# Altium PCB main_backup002.PcbDoc (continued)
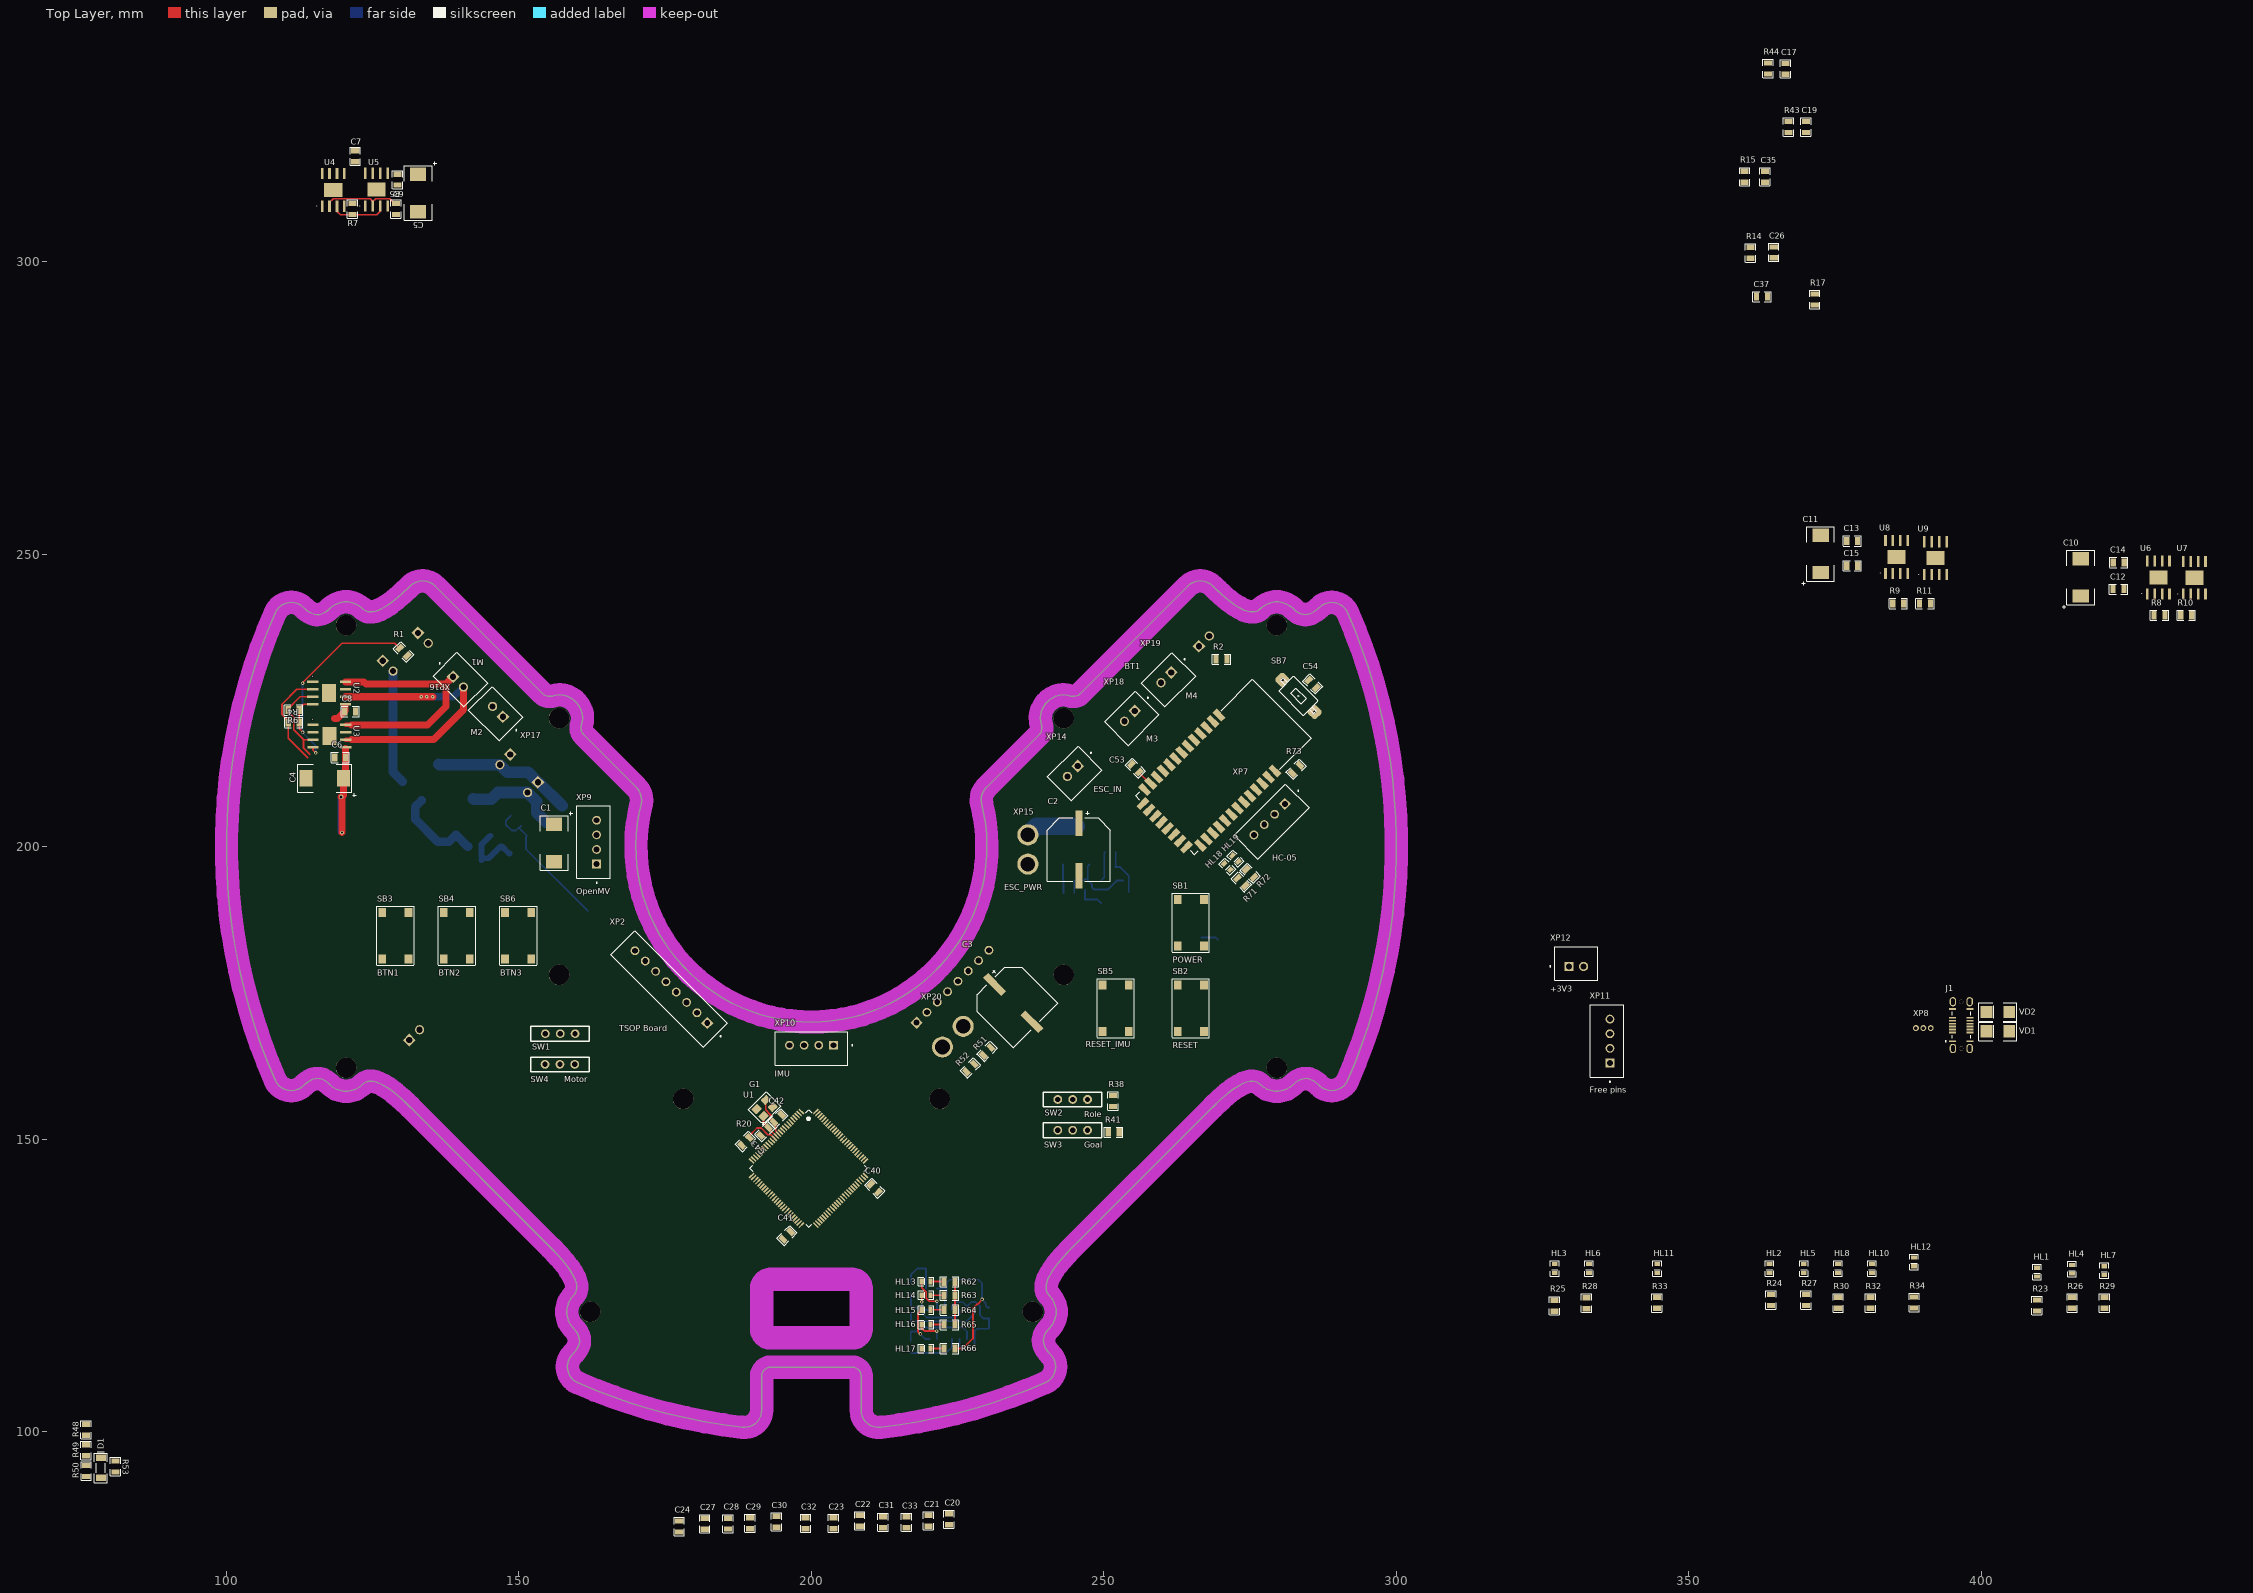
[diagram p0: Top Layer view]
## Footprints (in the part's own frame and the unit in brackets; to place one, negate y for a bottom-side part, rotate by r counter-clockwise, add the part's x,y. Pads: shape width x height; smd on the part's side, far side on the other; paste and mask are expansions set on the pad) (continued)
DPAK [mm] "TO-252"
  rect 6.25x6.5 smd: D(3.219,0.034)
  rect 2.5x1.2 smd: G(-3.281,2.324) S(-3.281,-2.256)
  round 0.5 on Mech1: ""(-3.231,2.934)
  silkscreen extent -3.41,-3.27 -0.33,3.75, body extent -3.83,-3.28 6.27,3.45, height 2.37
DTSM-61N-V-T/R [mm] "Tactile button"
  rect 1.55x1.3 smd: 1(0,4.5) 2(7.95,4.5) 3(0,0) 4(7.95,0)
  silkscreen extent -1.05,-0.93 9,5.43, body extent -0.52,-0.75 8.47,5.25, height 4.3
ESP1010 [mm] "Slide switch"
  round 1.5 hole 0.9: 1(-2.596,-0.014) 2(-0.056,-0.014) 3(2.484,-0.014)
  silkscreen extent -5.06,-1.24 4.94,1.26, body extent -5.06,-1.24 4.94,1.26, height 6.55
HC-05 [mm] "Bluetooth HC-05"
  rect 2.2x1 smd: 1(-6.886,6.787) 2(-6.886,5.287) 3(-6.886,3.787) 4(-6.886,2.287) 5(-6.886,0.787) 6(-6.886,-0.713) 7(-6.886,-2.213) 8(-6.886,-3.713) 9(-6.886,-5.213) 10(-6.886,-6.713) 11(-6.886,-8.213) 12(-6.886,-9.713) 13(-6.886,-11.213) 22(6.614,-11.213) 23(6.614,-9.713) 24(6.614,-8.213) 25(6.614,-6.713) 26(6.614,-5.213) 27(6.614,-3.713) 28(6.614,-2.213) 29(6.614,-0.713) 30(6.614,0.787) 31(6.614,2.287) 32(6.614,3.787) 33(6.614,5.287) 34(6.614,6.787)
  rect 1x2.2 smd: 14(-5.386,-13.113) 15(-3.886,-13.113) 16(-2.386,-13.113) 17(-0.886,-13.113) 18(0.614,-13.113) 19(2.114,-13.113) 20(3.614,-13.113) 21(5.114,-13.113)
  round 0.5 on Mech1: 33(-6.586,7.787)
  round 0.5 on Top Overlay: 34(-7.686,7.787)
  silkscreen extent -7.19,-13.06 7.01,15.14, body extent -6.55,-12.95 6.45,13.95, height 2.2
HSOP-8 [mm]
  rect 0.45x1.9 smd: 1(-1.897,-2.75) 2(-0.627,-2.75) 3(0.643,-2.75) 4(1.913,-2.75) 5(1.913,2.85) 6(0.643,2.85) 7(-0.627,2.85) 8(-1.897,2.85)
  rect 3.1x2.4 smd: 9(0.008,0.05)
  body extent -2.44,-2.9 2.46,3, height 1.46
JST_XH-2 [mm] "JST_B2B-XH-A(LF)(SN)"
  rect 1.575x1.575 / inner round 1.575 / far side rect 1.575x1.575 hole 1.05: 1(-1.25,-0.525)
  round 1.575 hole 1.05: 2(1.25,-0.525)
  silkscreen extent -4.55,-2.88 3.7,2.88, body extent -3.7,-2.88 3.7,2.88, height 7
JST_XH-4 [mm] "JST_B4B-XH-A(LF)(SN)"
  rect 1.508x1.508 / inner round 1.508 / far side rect 1.508x1.508 hole 1: 1(-3.75,-0.525)
  round 1.508 hole 1: 2(-1.25,-0.525) 3(1.25,-0.525) 4(3.75,-0.525)
  silkscreen extent -7.05,-2.88 6.2,2.88, body extent -6.2,-2.88 6.2,2.88, height 7
JST_XH-8 [mm] "JST_B8B-XH-A(LF)(SN)"
  rect 1.508x1.508 hole 1: 1(-8.75,-0.017)
  round 1.508 hole 1: 2(-6.25,-0.017) 3(-3.75,-0.017) 4(-1.25,-0.017) 5(1.25,-0.017) 6(3.75,-0.017) 7(6.25,-0.017) 8(8.75,-0.017)
  silkscreen extent -12.05,-2.37 11.2,3.38, body extent -11.2,-2.37 11.2,3.38, height 7
LED0603_GREEN [mm] "Green SMD LED"
  rect 0.7x1 smd: 1(-0.75,0) 2(0.75,0)
  silkscreen extent -1.33,-0.73 1.33,0.73, body extent -0.8,-0.4 0.8,0.4, height 0.6
LED0603_RED [mm] "Red SMD LED"
  rect 0.7x1 smd: 1(-0.75,0) 2(0.75,0)
  silkscreen extent -1.33,-0.73 1.33,0.73, body extent -0.82,-0.4 0.78,0.4, height 0.6
LED0603_WHITE [mm] "White SMD LED"
  rect 0.7x1 smd: 1(-0.75,0) 2(0.75,0)
  silkscreen extent -1.33,-0.73 1.33,0.73, body extent -0.8,-0.4 0.8,0.4, height 0.75
LQFP100 [mm] "Microcontroller"
  rect 1.2x0.3 smd: 1(-7.75,6) 2(-7.75,5.5) 3(-7.75,5) 4(-7.75,4.5) 5(-7.75,4) 6(-7.75,3.5) 7(-7.75,3) 8(-7.75,2.5) 9(-7.75,2) 10(-7.75,1.5) 11(-7.75,1) 12(-7.75,0.5) 13(-7.75,0) 14(-7.75,-0.5) 15(-7.75,-1) 16(-7.75,-1.5) 17(-7.75,-2) 18(-7.75,-2.5) 19(-7.75,-3) 20(-7.75,-3.5) 21(-7.75,-4) 22(-7.75,-4.5) 23(-7.75,-5) 24(-7.75,-5.5) 25(-7.75,-6) 51(7.75,-6) 52(7.75,-5.5) 53(7.75,-5) 54(7.75,-4.5) 55(7.75,-4) 56(7.75,-3.5) 57(7.75,-3) 58(7.75,-2.5) 59(7.75,-2) 60(7.75,-1.5) 61(7.75,-1) 62(7.75,-0.5) 63(7.75,0) 64(7.75,0.5) 65(7.75,1) 66(7.75,1.5) 67(7.75,2) 68(7.75,2.5) 69(7.75,3) 70(7.75,3.5) 71(7.75,4) 72(7.75,4.5) 73(7.75,5) 74(7.75,5.5) 75(7.75,6)
  rect 0.3x1.2 smd: 26(-6,-7.75) 27(-5.5,-7.75) 28(-5,-7.75) 29(-4.5,-7.75) 30(-4,-7.75) 31(-3.5,-7.75) 32(-3,-7.75) 33(-2.5,-7.75) 34(-2,-7.75) 35(-1.5,-7.75) 36(-1,-7.75) 37(-0.5,-7.75) 38(0,-7.75) 39(0.5,-7.75) 40(1,-7.75) 41(1.5,-7.75) 42(2,-7.75) 43(2.5,-7.75) 44(3,-7.75) 45(3.5,-7.75) 46(4,-7.75) 47(4.5,-7.75) 48(5,-7.75) 49(5.5,-7.75) 50(6,-7.75) 76(6,7.75) 77(5.5,7.75) 78(5,7.75) 79(4.5,7.75) 80(4,7.75) 81(3.5,7.75) 82(3,7.75) 83(2.5,7.75) 84(2,7.75) 85(1.5,7.75) 86(1,7.75) 87(0.5,7.75) 88(0,7.75) 89(-0.5,7.75) 90(-1,7.75) 91(-1.5,7.75) 92(-2,7.75) 93(-2.5,7.75) 94(-3,7.75) 95(-3.5,7.75) 96(-4,7.75) 97(-4.5,7.75) 98(-5,7.75) 99(-5.5,7.75) 100(-6,7.75)
  silkscreen extent -7.1,-7.1 7.1,7.1, body extent -8.03,-8 7.97,8, height 1.6
"PTS636 SP43 LFS" [mm]
  rrect50% 2x2 hole 0.5: 1(-3.9,0) 2(3.9,0)
  silkscreen extent -4,-1.8 4,1.8
RES0805 [mm] "SMD resistor 0805"
  rect 0.9x1.397 smd: 1(-0.938,-0.02) 2(0.942,-0.02)
  silkscreen extent -1.58,-0.9 1.58,0.85, body extent -1,-0.63 1,0.62, height 0.5
RES1206 [mm] "SMD resistor 1206"
  rect 1x1.77 smd: 1(-1.6,0) 2(1.6,0)
  silkscreen extent -2.27,-1.08 2.27,1.08, body extent -1.6,-0.8 1.6,0.8, height 0.55
SOD-80 [mm]
  rect 1.11x1.73 smd: A(1.67,0.022) K(-1.74,0.022)
  silkscreen extent -2.8,-1.09 2.47,1.14, body extent -1.79,-0.78 1.71,0.82, height 1.6
SOIC-8 [mm] "SOIC-8"
  rrect25% 1.97x0.6 smd: 1(-2.498,1.907) 2(-2.498,0.637) 3(-2.498,-0.633) 4(-2.498,-1.903) 5(2.442,-1.903) 6(2.442,-0.633) 7(2.442,0.637) 8(2.442,1.907)
  silkscreen extent -2.3,-2.7 2.3,3.3, body extent -2.95,-2.45 2.95,2.45, height 1.5
SOIC-14 [mm] "SOIC-14"
  rrect50% 1.97x0.6 smd: 1(-2.441,3.804) 2(-2.441,2.534) 3(-2.441,1.264) 4(-2.441,-0.006) 5(-2.441,-1.276) 6(-2.441,-2.546) 7(-2.441,-3.816) 8(2.509,-3.816) 9(2.509,-2.546) 10(2.509,-1.276) 11(2.509,-0.006) 12(2.509,1.264) 13(2.509,2.534) 14(2.509,3.804)
  silkscreen extent -2.2,-4.57 2.3,5.1, body extent -2.97,-4.33 3.03,4.32, height 1.75
SOT-23-3 [mm]
  rect 0.8x0.8 smd: D(0.967,0.043)
  rect 0.9x0.8 smd: G(-1.033,0.993) S(-1.033,-0.907)
  silkscreen extent -1.68,-1.51 1.57,2.14, body extent -1.18,-1.46 1.12,1.54, height 1.1
TO263-5L [mm] "XL4015"
  rect 1.05x2.5 smd: 1(-3.199,-6.264) 2(-1.499,-6.264) 3(0.201,-6.264) 4(1.901,-6.264) 5(3.601,-6.264)
  rect 10.9x9.1 smd: 3(0.201,3.636)
  body extent -4.88,-6.92 5.28,7.74, height 4.83
TSX-3225 [mm]
  round 0.508 on Mech15: 0(0,0)
  rrect25% 1.4x1.2 smd: 1(-1.1,-0.85) 2(1.1,-0.85) 3(1.1,0.85) 4(-1.1,0.85)
  silkscreen extent -2.26,-1.88 2.16,1.78, body extent -1.65,-1.3 1.65,1.3, height 0.8
USB-C [mm] "USB4145-04-0070-C"
  rect 0.3x1.15 smd: A1(-2.77,1.46) A4(-1.27,1.46) A5(-0.77,1.46) A6(-0.27,1.46) A7(0.23,1.46) A8(0.73,1.46) A9(1.23,1.46) A12(2.73,1.46) B1(2.73,-1.51) B4(1.23,-1.51) B5(0.73,-1.51) B6(0.23,-1.51) B7(-0.27,-1.51) B8(-0.77,-1.51) B9(-1.27,-1.51) B12(-2.77,-1.51)
  oval 1.6x1.1 hole 0.6 slot 1.1 at 0 deg: S1(-4.02,1.405) S2(3.98,1.405) S3(-4.02,-1.455) S4(3.98,-1.455)
  round 0.71 hole 0.71 unplated: ""(-4.02,-0.025) ""(3.98,-0.025)
  silkscreen extent -2.87,-1.61 2.26,2.73, body extent -4.5,-1.87 4.45,1.82, height 7.46
VLS3012HBX [mm]
  rrect50% 1x3.4 smd: 1(-1.05,0)
  rrect70% 1x3.4 smd: 2(1.05,0)
  silkscreen extent -1.72,-1.85 1.73,1.88, body extent -1.5,-1.52 1.47,1.52, height 1.2
XT30_3D [mm]
  round 3.6 hole 2.5 paste+6: 1(-2.5,0) 2(2.5,0)
  body extent -5.23,-2.58 5.23,2.67, height 13

## Part data
BT1: "Bluetooth HC-05", ComponentLink1Description=Chipdip, ComponentLink1URL=https://www.chipdip.ru/product0/8020390968
C1 C4 C5 C10 C11: library part "CAP Tantal", "Tantal SMD Cap"
C2 C36: library part "Cap Aluminum", "25V", ComponentLink1Description=Chipdip
  C2: ComponentLink1URL=https://www.chipdip.ru/product0/9000565743
  C36: ComponentLink1URL=https://www.chipdip.ru/product0/9000565748
C3: library part "Cap Aluminum", ComponentLink1Description=Chipdip, ComponentLink1URL=https://www.chipdip.ru/product0/9000565743
C6 C7 C8 C9 C12 C13 C14 C15 C17 C18 C19 C20 C21 C22 C23 C24 C25 C26 C27 C28 C29 C30 C31 C32 C33 C34 C35 C37 C38 C40 C41 C42 C43 C44 C45 C46 C52 C53 C54: library part "CAP Ceramic", "Ceramic SMD Cap"
C16: library part "Cap Aluminum", "50V", ComponentLink1Description=Chipdip, ComponentLink1URL=https://www.chipdip.ru/product0/9000565743
D1 D2: library part "Diode Zener", "Zener Diode / BZV55C8V2"
DA1: "Buck converter"
G1: library part "TSX-3225 24.0000MF15X-AC6", "24MHz ±10ppm Crystal 9pF 40 Ohms 4-SMD, No Lead", Digi-Key Part Number=SER4180CT-ND, HelpURL=https://www.digikey.com/en/products/detail/epson/TSX-3225-24-0000MF15X-AC6/5261221, Manufacturer Part Number="TSX-3225 24.0000MF15X-AC6", Part Number="TSX-3225 24.0000MF15X-AC6", Price$=0.33
HL1 HL2 HL3 HL4 HL5 HL6 HL7 HL8 HL10 HL11 HL12 HL13 HL14 HL15 HL16 HL17 HL18 HL19: library part LED, "LED smd"
J1: library part USB-C, "USB4145-04-0070-C"
L1: library part Inductor, "5A"
R1 R2 R3 R4 R5 R6 R7 R8 R9 R10 R11 R12 R13 R14 R15 R16 R17 R18 R19 R20 R21 R22 R23 R24 R25 R26 R27 R28 R29 R30 R32 R33 R34 R35 R36 R37 R38 R39 R40 R41 R42 R43 R44 R48 R49 R50 R51 R52 R53 R54 R55 R56 R57 R58 R59 R60 R61 R62 R63 R64 R65 R66 R67 R68 R69 R70 R71 R72 R73: library part RES, "RES smd"
SB1 SB2 SB3 SB4 SB5 SB6: library part Button
SB7: "TACT 6.0 X 3.5, 4.3 MM H, 320GF,", Digi-Key Part Number=CKN12304-ND, HelpURL=https://www.digikey.com/product-detail/en/c-k/PTS636-SP43-LFS/CKN12304-ND/10071717, Manufacturer Part Number="PTS636 SP43 LFS", Part Number="PTS636 SP43 LFS", Price$=0.1
SW1: "2 pos switch", ComponentLink1Description=Chipdip, ComponentLink1URL=https://www.chipdip.ru/product0/8007034319
SW2 SW3 SW4: library part ESP1010, "2 pos switch", ComponentLink1Description=Chipdip, ComponentLink1URL=https://www.chipdip.ru/product0/8007034319
U1: "ARM Cortex-M4 32-bit MCU+FPU, 210 DMIPS, 1024 kB Flash, 192 kB Internal RAM, 82 I/Os, 100-pin LQFP, -40 to 85 degC, Tray", I/Os (High Current)=82, Manufacturer=STMicroelectronics, Operating Frequency(F) (Processor speed) (MHz)=168, Supplier Part Number 1=497-11605-ND, Supply Voltage(Vcc) max (V)=3.6, Supply Voltage(Vcc) min (V)=1.8, ComponentLink1Description="Manufacturer URL", ComponentLink1URL=http://www.st.com/web/en/home.html, ComponentLink2Description=Datasheet, ComponentLink2URL=http://www.st.com/st-web-ui/static/active/en/resource/technical/document/datasheet/DM00037051.pdf, ComponentLink3Description="Package Specification", ComponentLink3URL=http://www.st.com/st-web-ui/static/active/en/resource/technical/document/data_brief/DM00071938.pdf, Core="ARM Cortex-M4", D/A Converter=2x12-bit, DatasheetVersion="Rev. 4", FLASH Size (Prog) (kB)=1024, Internal RAM Size (kB)=192, Mounting Technology="Surface Mount", PackageDescription="100-Pin Low Profile Quad Flat Package, 14 x 14 mm Body, 0.5 mm Pitch", PackageReference=LQFP100, PackageVersion="Rev. 1, 06/2013", Packing=Tray, PartNumber=STM32F407VGT6, Supplier 1=Digi-Key, Supplier 2=Farnell, Supplier 3=Newark, Supplier 4=Mouser, Supplier Part Number 2=2064368, Supplier Part Number 3=73T2333, Supplier Part Number 4=511-STM32F407VGT6
U2 U3 U4 U5 U6 U7 U8 U9: "DC motor driver 3.6A"
U10: library part LM139DR, "Quad differential comparator", ComponentLink1Description=Chipdip, ComponentLink1URL=https://www.chipdip.ru/product0/8013766664
VD1 VD2: "Protective diode"
VT1: "Mosfet driver"
VT2: "N-MOSFET / Uds = 60 V / Ids = 30 A / Rds = 0.023 Ohm / P = 55 W", ComponentLink1Description=Chipdip, ComponentLink1URL=https://www.chipdip.ru/product/std30nf06l-umw
VT3: "P-MOSFET / Uds = 60 V / Ids = 13 A / Rds = 0.100 Ohm / P = 60 W", ComponentLink1Description=Chipdip, ComponentLink1URL=https://www.chipdip.ru/product/tpstd10p6f6
VT4: "N-MOSFET / Uds = 20 V / Ids = 4.2 A / Rds = 0.035 Ohm / P = 8 W", ComponentLink1Description=Chipdip, ComponentLink1URL=https://www.chipdip.ru/product/irlml2502-umw
VT5: "P-MOSFET / Uds = 40 V / Ids = 40 A / Rds = 0.012 Ohm / P = 3.0 W", ComponentLink1Description=Chipdip, ComponentLink1URL=https://www.chipdip.ru/product/fdd6637-vbsemi
XP1 XP2: library part JST-XH-8, "JST_B8B-XH-A(LF)(SN)"
XP3 XP4 XP5 XP6 XP12 XP14 XP16 XP17 XP18 XP19 XP21 XP22: library part JST-XH-2, "JST_B2B-XH-A(LF)(SN)"
XP7 XP9 XP10 XP11: library part JST_XH-4, "JST_B4B-XH-A(LF)(SN)"
XP8: library part "Header 3"
XP15 XP20: library part "Power connectors"

## Free pads (board coordinates)
  round 3.5 hole 3.5: 1(120.45,237.83) 1(120.45,162.17) 1(156.866,178.08) 1(156.866,221.92) 1(162.17,120.45) 1(178.08,156.866) 1(237.83,120.45) 1(243.134,178.08) 1(243.134,221.92) 1(279.55,162.17) 1(279.55,237.83)
  round 3.5 hole 3.5 mask+0.05: 1(221.92,156.866)

## Via types
v1: diameter 0.6, hole 0.3, Top Layer to Bottom Layer, 12 vias
v2: diameter 0.8, hole 0.5, Top Layer to Bottom Layer, 1 vias

## Nets (pads, with @x,y where several pads share a name; then routed paths per layer and width w, separated by ;. In a path a pad name is that pad's centre, name@x,y a point inside that pad or via, vN(x,y) a via of type N, cw(c..) or ccw(c..) an arc to the next point about the centre after c; other vN are vias at no path point)
+3V3: BT1.12 C1.2 C19.1 C20.1 C21.1 C22.1 C23.1 C24.1 C26.1 C27.1 C28.1 C29.1 C30.1 C31.2 C32.1 C33.2 C35.1 C37.1 C53.2 C54.1 HL11.2 R1.2 R4.2 R5.2 R6.2 R7.2 R8.2 R9.2 R10.2 R11.2 R16.2 R20.1 R44.2 R62.2 R63.2 R64.2 R65.2 SB3.1 SB3.2 SB4.1 SB4.2 SB5.1 SB5.2 SB6.1 SB6.2 SB7.2 SW1.1 SW2.1 SW3.1 SW4.1 U1.6 U1.11 U1.19 U1.21 U1.22 U1.28 U1.50 U1.75 U1.100 U2.4 U3.4 U4.4 U5.4 U6.4 U7.4 U8.4 U9.4 XP1.8 XP2.8 XP5.2 XP7.4 XP9.4 XP10.4 XP12.2 | length 51.1
  Top Layer w0.3: v1(113,219.5) 113,219.581 112.442,220.139 R4.2 112.43,221.242 R6.2 112.43,223.586 113.181,224.337 U2.4 ; v1(113,227.922) 113,227.996 119.747,234.743 128.786,234.743 R1.2 ; U3.4 114.787,216.463 v1(115.25,216) ; R65.2 R64.2 R63.2 R62.2 ; C53.2 255.95,212.667 257.817,210.8 BT1.12
  Bottom Layer w0.3: v1(113,227.922) v1(113,219.5) 115.25,217.25 v1(115.25,216)
+12V: C2.1 C4.2 C5.2 C6.2 C7.2 C8.2 C9.2 C10.2 C11.2 C12.2 C13.2 C14.2 C15.2 C16.1 C18.2 C25.2 C46.2 DA1.5 HL6.2 R40.2 U2.5 U3.5 U4.5 U5.5 U6.5 U7.5 U8.5 U9.5 VT1.6 VT5.D XP15.2 XP21.2 | length 32.9
  Top Layer w1.2: 118.504,221.922 119.009,221.922 C8.2@120.164,223.077 ; v2(119.612,208.5) 119.75,208.362 v1(119.75,202.398) ; v2@119.75,208.493 120.003,208.747 C4.2 120.387,212.048 C6.2 120.387,216.771 ; C8.2 C8.2@120.164,223.077 ; 120.283,223.962 120.283,223.175 120.184,223.077 C8.2@120.164,223.077
  Bottom Layer w1.2: v2(119.612,208.5) 119.612,202.536 v1(119.75,202.398)
  Bottom Layer w3: XP15.2 238.469,203.469 VT5.D
+48V: HL3.2 VT3.S XP22.2 | length 19.5
  Bottom Layer w1.5: XP22.2 128.487,212.729 VT3.S
BALL_SEN: R2.2 U1.26 XP5.1
BG_LED: HL2.2 U1.41
BT_RESET: BT1.34@279.213,212.921 C54.2 R73.2 SB7.1 U1.80
BT_RX: R67.2 R70.2 U1.78 XP7.3
BT_TX: R68.2 R69.2 U1.79 XP7.2
BTN1: C19.2 R43.2 SB3.3 SB3.4 U1.82
BTN2: C26.2 R14.2 SB4.3 SB4.4 U1.83
BTN3: C37.2 R17.2 SB6.3 SB6.4 U1.84
CAP: R48.2 VD5.K VT3.D XP4.2 XP6.1 | length 24
  Bottom Layer w2: VT3.D 136.414,213.995 146.72,213.995 148.019,212.696 151.554,212.696 XP6.1 153.345,211 VD5.K
CAP_ADC: R53.1
ESC_IN: R3.2 U1.25 XP14.2
FP1: XP11.4
FP2: XP11.3
FP3: XP11.2
FP4: XP11.1
GK_LED: HL10.2 U1.39
GND: BT1.13 BT1.21 BT1.22 C1.1 C2.2 C3.2 C4.1 C5.1 C6.1 C7.1 C8.1 C9.1 C10.1 C11.1 C12.1 C13.1 C14.1 C15.1 C16.2 C17.1 C18.1 C20.2 C21.2 C22.2 C23.2 C24.2 C27.2 C28.2 C29.2 C30.2 C31.1 C32.2 C33.1 C34.1 C36.2 C40.1 C41.1 C42.2 C43.2 C52.1 C53.1 D1.A D2.A DA1.1 G1.2 G1.4 HL17.1 J1.A1 J1.A12 J1.B1 J1.B12 J1.S1 J1.S2 J1.S3 J1.S4 R2.1 R3.1 R13.1 R14.1 R15.1 R17.1 R18.1 R19.1 R22.2 R23.1 R24.1 R25.1 R26.1 R27.1 R28.1 R29.1 R30.1 R32.1 R33.1 R34.1 R35.1 R38.1 R41.1 R42.1 R43.1 R50.1 R52.1 R59.1 R61.1 R67.1 R68.1 R71.1 R72.1 R73.1 SB1.1 SB1.2 SB2.1 SB2.2 SW1.3 SW2.3 SW3.3 SW4.3 U1.10 U1.20 U1.27 U1.74 U1.99 U2.1 U2.7 U2.9 U3.1 U3.7 U3.9 U4.1 U4.7 U4.9 U5.1 U5.7 U5.9 U6.1 U6.7 U6.9 U7.1 U7.7 U7.9 U8.1 U8.7 U8.9 U9.1 U9.7 U9.9 U10.12 VD1.A VD2.A VD3.A VT1.3 VT2.S VT4.S XP1.1 XP2.1 XP3.1 XP4.1 XP7.1 XP8.2 XP9.1 XP10.1 XP12.1 XP14.1 XP15.1 XP20.1 XP21.1 XP22.1
GOAL_SW: R41.2 SW3.2 U1.93
IMU_RX: U1.47 XP10.2
IMU_TX: U1.48 XP10.3
KICK_IN: R18.2 U1.24 VT1.2 VT1.4 | length 24.6
  Bottom Layer w0.3: VT1.2 148.601,205.283 147.754,204.436 147.754,203.745 148.748,202.751 149.494,202.751 150.027,203.283 VT1.4@150.137,203.283 ; VT1.4 VT1.4@150.137,203.283 ; 161.75,189 151.202,199.548 151.202,201.655 R18.2 150.137,203.071 VT1.4@150.137,203.283
LB_IN1: U1.33 XP1.2
LB_IN2: U1.34 XP1.3
LB_IN3: U1.63 XP1.4
LB_IN4: U1.64 XP1.5
LB_OUT1: U1.35 XP1.6
LB_OUT2: U1.36 XP1.7
LED1: HL1.2 U1.43
LED2: HL4.2 U1.44
LED3: HL7.2 U1.45
M1_IN1: R4.1 U1.4 U2.2 U3.2 | length 17.2
  Top Layer w0.3: 113.837,215.244 110.562,218.518 R4.1 110.562,221.478 109.5,222.54 109.5,224.332 112.045,226.877 U2.2
M1_IN2: R6.1 U1.5 U2.3 U3.3 | length 16
  Top Layer w0.3: 114.25,215.75 113.181,216.819 113.181,218.266 ; U2.3 112.571,225.607 110.55,223.586 R6.1 110.55,223.089 111.5,222.139 111.5,219.946 113.181,218.266 ; U3.3 113.181,218.266
M1_OUT1: U2.6 U3.6 XP16.2 | length 48.9
  Top Layer w0.8: U3.6 121.337,218.266
  Top Layer w1.2: U2.6 v1(133.289,225.607) v1(134.25,225.607) v1(135.271,225.607) ; 121.337,218.266 135.374,218.266 140.5,223.392 XP16.2
  Bottom Layer w1.2: v1(133.289,225.607) v1(134.25,225.607) v1(135.271,225.607) 138.838,225.607 XP16.2
M1_OUT2: U2.8 U3.8 XP16.1 | length 41.3
  Top Layer w0.8: U3.8 121.337,220.806
  Top Layer w1.2: U2.8 123.536,228.147 123.856,227.826 137.521,227.826 ; 121.337,220.806 134.374,220.806 137.521,223.953 137.521,227.826 ; XP16.1 137.521,227.826
M2_IN1: R5.1 U1.31 U4.2 U5.2 | length 13.9
  Top Layer w0.3: U4.2 117.615,310.115 118.25,310.75 124.574,310.75 125.02,310.304 U5.2@125.02,310.27 ; U5.2 U5.2@125.02,310.27 ; R5.1 128.5,309.938 128.5,310.159 127.909,310.75 125.5,310.75 U5.2@125.02,310.27
M2_IN2: R7.1 U1.32 U4.3 U5.3 | length 9.7
  Top Layer w0.3: U4.3 118.885,308.615 119.5,308 125.72,308 126.29,308.57 U5.3
M2_OUT1: U4.6 U5.6 XP17.2
M2_OUT2: U4.8 U5.8 XP17.1
M3_IN1: R8.1 U1.53 U6.2 U7.2
M3_IN2: R10.1 U1.54 U6.3 U7.3
M3_OUT1: U6.6 U7.6 XP18.2
M3_OUT2: U6.8 U7.8 XP18.1
M4_IN1: R9.1 U1.61 U8.2 U9.2
M4_IN2: R11.1 U1.62 U8.3 U9.3
M4_OUT1: U8.6 U9.6 XP19.2
M4_OUT2: U8.8 U9.8 XP19.1
MTR_ON: HL12.2 R42.2 SW4.2 U1.81
MV_RX: U1.86 XP9.3
MV_TX: U1.87 XP9.2
NetBT1_1: BT1.1 R69.1
NetBT1_2: BT1.2 R70.1
NetBT1_3: BT1.3
NetBT1_4: BT1.4
NetBT1_5: BT1.5
NetBT1_6: BT1.6
NetBT1_7: BT1.7
NetBT1_8: BT1.8
NetBT1_9: BT1.9
NetBT1_10: BT1.10
NetBT1_11: BT1.11
NetBT1_14: BT1.14
NetBT1_15: BT1.15
NetBT1_16: BT1.16
NetBT1_17: BT1.17
NetBT1_18: BT1.18
NetBT1_19: BT1.19
NetBT1_20: BT1.20
NetBT1_23: BT1.23
NetBT1_24: BT1.24
NetBT1_25: BT1.25
NetBT1_26: BT1.26
NetBT1_27: BT1.27
NetBT1_28: BT1.28
NetBT1_29: BT1.29
NetBT1_30: BT1.30
NetBT1_31: BT1.31 HL18.2
NetBT1_32: BT1.32 HL19.2
NetBT1_33: BT1.33@278.153,211.861
NetC25_1: C25.1 DA1.4
NetC34_2: C34.2 C36.1 C38.2 L1.2 R12.2 R16.1
NetC38_1: C38.1 DA1.2 R12.1 R13.2
NetC40_2: C40.2 U1.73
NetC41_2: C41.2 U1.49
NetC42_1: C42.1 G1.3 U1.12 | length 6.8
  Top Layer w0.3: G1.3 192.177,154.982 192.98,154.178 192.98,153.456 C42.1 193.897,152.54 193.897,151.381 194.373,150.904 U1.12
NetC43_1: C43.1 G1.1 U1.13 | length 4.3
  Top Layer w0.3: G1.1 191.823,152.75 C43.1 ; C43.1@192.915,151.989 192.915,151.585 U1.13
NetC44_1: C44.1 C45.1 R37.2 VT4.D VT5.G | length 15.2
  Bottom Layer w0.3: R37.2 244.942,194.243 C45.1 246.571,194.256 C44.1 C44.1@247.079,194.429 ; VT5.G 247.225,196.62 247.225,194.575 C44.1@247.079,194.429 ; VT4.D 252.292,194.217 250.75,192.675 248.25,192.675 247.975,192.95 247.975,193.446 247.225,194.196 247.225,194.429 C44.1@247.079,194.429
NetC44_2: C44.2 R36.2 SB1.3 SB1.4 VD6.K | length 4.7
  Bottom Layer w0.3: C44.2 246.744,190.956 R36.2 248.878,190.942 VD6.K
NetC46_1: C46.1 R39.2 VT4.G | length 8.3
  Bottom Layer w0.3: C46.1 252.006,196.584 R39.2 252.73,196.52 254.243,195.007 VT4.G
NetD1_K: D1.K R49.1 R50.2 R53.2
NetD2_K: D2.K R54.1 R55.2 | length 7.7
  Bottom Layer w0.3: R55.2 217.005,126.805 218.078,127.878 D2.K 219.562,127.876 R54.1
NetDA1_3: DA1.3 L1.1 VD3.K | length 3.1
  Bottom Layer w0.3: VD3.K 269.108,184.45 269.45,184.108 L1.1
NetHL1_1: HL1.1 R23.2
NetHL2_1: HL2.1 R24.2
NetHL3_1: HL3.1 R25.2
NetHL4_1: HL4.1 R26.2
NetHL5_1: HL5.1 R27.2
NetHL6_1: HL6.1 R28.2
NetHL7_1: HL7.1 R29.2
NetHL8_1: HL8.1 R30.2
NetHL10_1: HL10.1 R32.2
NetHL11_1: HL11.1 R33.2
NetHL12_1: HL12.1 R34.2
NetHL13_1: HL13.1 U10.2 | length 6.8
  Top Layer w0.3: HL13.1 218.85,124.574 219.625,123.799 219.625,122.751 219.875,122.501 219.875,122.499 220.124,122.25 v1(221.45,122.25)
  Bottom Layer w0.3: v1(221.45,122.25) 221.45,121.077 221.5,121.027 221.375,120.902 U10.2
NetHL13_2: HL13.2 R62.1 | length 2.3
  Top Layer w0.3: HL13.2 222.642,125.634 R62.1
NetHL14_1: HL14.1 U10.1 | length 3.5
  Top Layer w0.3: v1(218.85,122.15) HL14.1
  Bottom Layer w0.3: v1(218.85,122.15) 218.85,121.452 219.526,120.776 U10.1
NetHL14_2: HL14.2 R63.1 | length 2.3
  Top Layer w0.3: HL14.2 222.642,123.3 R63.1
NetHL15_1: HL15.1 U10.14 | length 6.5
  Top Layer w0.3: v1(218.625,116.675) 218.2,117.1 218.2,120.15 HL15.1
  Bottom Layer w0.3: v1(218.625,116.675) 219.474,115.826 U10.14
NetHL15_2: HL15.2 R64.1 | length 2.3
  Top Layer w0.3: HL15.2 222.642,120.8 R64.1
NetHL16_1: HL16.1 U10.13 | length 4.8
  Top Layer w0.3: HL16.1 218.85,117.55 218.971,117.429 219.119,117.429 219.382,117.166 v1(221.4,117.166)
  Bottom Layer w0.3: v1(221.4,117.166) 221.4,115.927 U10.13
NetHL16_2: HL16.2 R65.1 | length 2.3
  Top Layer w0.3: HL16.2 222.642,118.3 R65.1
NetHL17_2: HL17.2 R66.1 | length 2.3
  Top Layer w0.3: HL17.2 R66.1
NetHL18_1: HL18.1 R71.2
NetHL19_1: HL19.1 R72.2
NetJ1_A4: J1.A4
NetJ1_A5: J1.A5
NetJ1_A8: J1.A8
NetJ1_A9: J1.A9
NetJ1_B4: J1.B4
NetJ1_B5: J1.B5
NetJ1_B8: J1.B8
NetJ1_B9: J1.B9
NetR1_1: R1.1 XP3.2
NetR19_2: R19.2 U1.94
NetR21_1: R21.1 R22.1 VT1.5 VT1.7 | length 10.9
  Bottom Layer w1: R21.1 R21.1@143.842,197.999 ; VT1.7 143.569,200.308 143.569,198.271 R21.1@143.842,197.999 ; R22.1 148.365,198.811 148.294,198.811 147.054,200.051 VT1.5 144.853,197.999 R21.1@143.842,197.999
NetR21_2: R21.2 VT2.G VT3.G | length 15.6
  Bottom Layer w1.5: VT3.G 132.259,206.779 132.259,204.714 136.144,200.829 138.054,200.829 VT2.G 139.26,201.974 141.244,199.99 R21.2
NetR39_1: R39.1 R40.1 VD6.A | length 5.2
  Bottom Layer w0.3: VD6.A 250.062,194.742 R39.1 250.062,198.895 R40.1
NetR48_1: R48.1 R49.2
NetR55_1: R55.1 R56.2 U10.5 | length 12.3
  Bottom Layer w0.3: R55.1 R56.2 217.005,121.445 217.228,121.222 218.003,121.222 219.734,119.491 224.716,119.491 225.311,120.086 U10.5
NetR56_1: R56.1 R57.2 U10.7 | length 13.5
  Bottom Layer w0.3: R56.1 R57.2 226.541,118.841 227.851,120.151 U10.7
NetR57_1: R57.1 R58.2 U10.9 | length 13.1
  Bottom Layer w0.3: R58.2 216.984,116.941 R57.1 217.005,117.111 218.212,117.111 218.868,117.766 225.909,117.766 226.581,117.094 U10.9
NetR58_1: R58.1 R59.2 U10.11 | length 8.9
  Bottom Layer w0.3: R58.1 217.104,113.442 R59.2 223.042,113.442 224.041,114.441 U10.11
NetR60_1: R60.1 R61.2 U10.4 U10.6 U10.8 U10.10 | length 22.4
  Bottom Layer w0.3: U10.4 224.041,121.441 224.7,122.1 225.9,122.1 226.581,121.419 U10.6 226.693,120.888 226.693,121.493 227.35,122.15 228.099,122.15 228.8,121.449 228.8,119.925 229.383,119.342 R60.1 R61.2 228.306,117.564 227.851,117.109 U10.8 227.851,114.526 227.4,114.075 225.816,114.075 225.311,114.58 U10.10
NetU1_1: U1.1
NetU1_2: U1.2
NetU1_3: U1.3
NetU1_7: U1.7
NetU1_8: U1.8
NetU1_9: U1.9
NetU1_23: U1.23
NetU1_37: U1.37
NetU1_38: U1.38
NetU1_46: U1.46
NetU1_51: U1.51
NetU1_52: U1.52
NetU1_55: U1.55
NetU1_56: U1.56
NetU1_57: U1.57
NetU1_58: U1.58
NetU1_59: U1.59
NetU1_60: U1.60
NetU1_65: U1.65
NetU1_66: U1.66
NetU1_67: U1.67
NetU1_68: U1.68
NetU1_69: U1.69
NetU1_70: U1.70
NetU1_71: U1.71
NetU1_77: U1.77
NetU1_85: U1.85
NetU1_88: U1.88
NetU1_89: U1.89
NetU1_90: U1.90
NetU1_92: U1.92
NetU1_97: U1.97
NetU1_98: U1.98
RESET_BTN: C17.2 R20.2 R44.1 SB2.3 SB2.4 U1.14 | length 5.9
  Top Layer w0.3: R20.2 189.381,150.581 190.694,151.894 191.406,151.894 192.559,150.741 193.052,150.741 U1.14
RESET_IMU: C35.2 R15.2 SB5.3 SB5.4 U1.91
ROLE_SW: R38.2 SW2.2 U1.95
SOL2: VD5.A VT2.D XP6.2 | length 16.1
  Bottom Layer w2: VT2.D 142.263,208.101 145.269,208.101 146.4,209.232 XP6.2 153.025,207.689 153.025,205.804 VD5.A
ST_LED: HL8.2 U1.40
SW1: R35.2 SW1.2 U1.96
SWCLK: J1.A7 J1.B7 U1.76 VD1.K XP8.3
SWDIO: J1.A6 J1.B6 U1.72 VD2.K XP8.1
TB_IN1: U1.15 XP2.2
TB_IN2: U1.16 XP2.3
TB_IN3: U1.17 XP2.4
TB_IN4: U1.18 XP2.5
TB_OUT1: U1.29 XP2.6
TB_OUT2: U1.30 XP2.7
Vbat: C3.1 C45.2 C52.2 R36.1 R37.1 R51.2 R54.2 R60.2 R66.2 U10.3 VT5.S XP20.2 | length 33.8
  Top Layer w0.3: R66.2 225.88,114.18 227.6,115.9 227.6,121.071 228.293,121.764 228.407,121.764 229.157,122.514 v1(229.157,122.571)
  Bottom Layer w0.3: R54.2 221.462,124.437 C52.2 ; U10.3 222.771,122.571 223.069,122.869 C52.2 ; R60.2 230.098,121.222 229.798,121.522 229.798,121.931 v1(229.157,122.571) 229.157,125.315 228.548,125.925 223.6,125.925 223.069,125.394 C52.2 ; VT5.S 242.994,194.331 C45.2 243.069,192.027 R37.1
VBAT_ADC: R51.1 R52.2
YG_LED: HL5.2 U1.42
pads on no net: BT1.33@270.586,222.962 BT1.34@269.809,223.74 C16. G1.0 J1. VT1.1 VT1.8 VT2. VT3. VT5.

## Keep-outs
Keep-Out Layer:
  lines w4: 100.013,198.357 100.121,195.073 100.337,191.795 100.661,188.525 101.091,185.268 101.628,182.027 102.272,178.805 103.021,175.606 103.875,172.433 104.832,169.29 105.892,166.18 107.054,163.107 108.316,160.074 108.6,159.565 108.976,159.12 109.432,158.756 109.949,158.488 110.508,158.324 111.089,158.272 111.668,158.332 112.225,158.504 112.738,158.78 113.188,159.15 113.727,159.631 114.261,159.99 114.733,160.208 115.181,160.326 115.581,160.356 115.978,160.314 116.372,160.2 116.762,160.015 117.15,159.757 117.387,159.563 117.622,159.341 118.156,158.893 118.76,158.545 119.415,158.306 120.102,158.185 120.799,158.185 121.486,158.306 122.141,158.545 122.745,158.893 123.279,159.341 123.56,159.575 123.871,159.745 124.213,159.851 124.586,159.894 124.989,159.873 125.422,159.787 126.047,159.575 126.797,159.21 127.675,158.667 128.702,157.907 129.9,156.89 130.639,156.206 131.411,155.452 155.452,131.411 156.749,130.056 157.822,128.808 158.58,127.801 159.133,126.934 159.514,126.189 159.752,125.55 159.871,125.001 159.892,124.528 159.834,124.139 159.722,123.818 159.571,123.553 159.464,123.412 159.341,123.279 158.893,122.745 158.545,122.141 158.306,121.486 158.185,120.799 158.185,120.102 158.306,119.415 158.545,118.76 158.893,118.156 159.341,117.622 159.761,117.144 160.07,116.661 160.253,116.221 160.339,115.822 160.353,115.419 160.292,115.014 160.158,114.605 159.951,114.193 159.67,113.778 159.429,113.484 159.15,113.188 158.78,112.738 158.504,112.225 158.332,111.668 158.272,111.088 158.324,110.508 158.488,109.949 158.756,109.432 159.12,108.976 159.565,108.6 160.074,108.316 163.068,107.07 166.1,105.921 169.169,104.872 172.269,103.922 175.399,103.073 178.555,102.327 181.733,101.682 184.931,101.142 188.144,100.705 188.707,100.691 189.261,100.782 189.79,100.975 190.273,101.264 190.693,101.637 191.037,102.082 191.291,102.584 191.447,103.124 191.5,103.684 191.5,109.5 191.538,109.834 191.649,110.151 191.827,110.435 192.065,110.673 192.349,110.851 192.666,110.962 193,111 207,111 207.334,110.962 207.651,110.851 207.935,110.673 208.173,110.435 208.351,110.151 208.462,109.834 208.5,109.5 208.5,103.684 208.553,103.124 208.709,102.584 208.963,102.082 209.307,101.637 209.727,101.264 210.21,100.975 210.739,100.782 211.293,100.691 211.856,100.705 215.069,101.142 218.267,101.683 221.445,102.327 224.601,103.073 227.731,103.922 230.831,104.872 233.9,105.921 236.933,107.07 239.926,108.316 240.435,108.6 240.88,108.976 241.244,109.432 241.512,109.949 241.676,110.508 241.728,111.088 241.668,111.668 241.496,112.225 241.22,112.738 240.85,113.188 240.369,113.727 240.01,114.261 239.792,114.733 239.674,115.181 239.644,115.581 239.686,115.978 239.8,116.372 239.985,116.762 240.243,117.15 240.437,117.387 240.659,117.622 241.107,118.156 241.455,118.76 241.694,119.415 241.815,120.102 241.815,120.799 241.694,121.486 241.455,122.141 241.107,122.745 240.659,123.279 240.425,123.56 240.255,123.871 240.149,124.213 240.106,124.586 240.127,124.989 240.213,125.422 240.425,126.047 240.79,126.797 241.333,127.675 242.093,128.702 243.11,129.9 243.794,130.639 244.548,131.411 268.589,155.452 269.944,156.749 271.192,157.822 272.199,158.58 273.066,159.133 273.811,159.514 274.45,159.752 274.999,159.871 275.472,159.892 275.861,159.834 276.182,159.722 276.447,159.571 276.588,159.464 276.721,159.341 277.255,158.893 277.859,158.545 278.514,158.306 279.201,158.185 279.898,158.185 280.585,158.306 281.24,158.545 281.844,158.893 282.378,159.341 282.856,159.761 283.339,160.07 283.779,160.253 284.178,160.339 284.581,160.353 284.986,160.292 285.395,160.158 285.807,159.951 286.222,159.67 286.516,159.429 286.812,159.15 287.262,158.78 287.775,158.504 288.332,158.332 288.912,158.272 289.492,158.324 290.051,158.488 290.568,158.756 291.024,159.12 291.4,159.565 291.684,160.074 292.946,163.107 294.108,166.18 295.168,169.29 296.125,172.433 296.979,175.606 297.728,178.805 298.372,182.027 298.909,185.268 299.339,188.525 299.663,191.795 299.879,195.073 299.987,198.357 299.987,201.643 299.879,204.927 299.663,208.205 299.339,211.475 298.909,214.732 298.372,217.973 297.728,221.195 296.979,224.394 296.125,227.567 295.168,230.71 294.108,233.82 292.946,236.893 291.684,239.926 291.4,240.435 291.024,240.88 290.568,241.244 290.051,241.512 289.492,241.676 288.912,241.728 288.332,241.668 287.775,241.496 287.262,241.22 286.812,240.85 286.273,240.369 285.739,240.01 285.267,239.792 284.819,239.674 284.419,239.644 284.022,239.686 283.628,239.8 283.238,239.985 282.85,240.243 282.613,240.437 282.378,240.659 281.844,241.107 281.24,241.455 280.585,241.694 279.898,241.815 279.201,241.815 278.514,241.694 277.859,241.455 277.255,241.107 276.721,240.659 276.44,240.425 276.129,240.255 275.787,240.149 275.414,240.106 275.011,240.127 274.578,240.213 273.953,240.425 273.203,240.79 272.325,241.333 271.298,242.093 270.1,243.11 269.361,243.794 268.589,244.548 268.135,244.921 267.616,245.198 267.053,245.369 266.468,245.426 265.883,245.369 265.32,245.198 264.801,244.921 264.347,244.548 245.891,226.092 245.634,225.886 245.338,225.741 245.018,225.664 244.689,225.659 244.367,225.725 243.709,225.879 243.035,225.919 242.364,225.846 241.714,225.66 241.105,225.368 240.554,224.977 240.076,224.5 239.686,223.949 239.394,223.34 239.208,222.69 239.135,222.019 239.175,221.344 239.329,220.687 239.395,220.364 239.39,220.035 239.313,219.716 239.168,219.42 238.962,219.163 229.9,210.101 229.511,209.622 229.228,209.074 229.063,208.48 229.023,207.864 229.11,207.254 229.484,205.538 229.758,203.803 229.93,202.055 229.999,200.301 229.965,198.545 229.828,196.794 229.589,195.054 229.249,193.331 228.809,191.631 228.27,189.959 227.634,188.322 226.903,186.725 226.08,185.174 225.168,183.673 224.17,182.228 223.088,180.845 221.928,179.526 220.692,178.278 219.386,177.105 218.013,176.01 216.578,174.997 215.087,174.069 213.544,173.231 211.954,172.484 210.323,171.832 208.657,171.276 206.962,170.819 205.242,170.462 203.505,170.205 201.755,170.051 200,170 198.245,170.051 196.495,170.205 194.758,170.462 193.038,170.819 191.343,171.276 189.677,171.832 188.046,172.484 186.457,173.231 184.913,174.069 183.422,174.997 181.987,176.01 180.614,177.105 179.308,178.278 178.072,179.526 176.912,180.845 175.83,182.228 174.832,183.673 173.92,185.174 173.097,186.725 172.366,188.322 171.73,189.959 171.191,191.631 170.751,193.331 170.411,195.054 170.172,196.794 170.035,198.545 170.002,200.301 170.07,202.055 170.242,203.803 170.516,205.538 170.89,207.254 170.977,207.864 170.937,208.48 170.772,209.074 170.489,209.622 170.101,210.101 161.038,219.163 160.832,219.42 160.687,219.716 160.61,220.035 160.605,220.364 160.671,220.687 160.825,221.344 160.865,222.019 160.792,222.69 160.606,223.34 160.314,223.949 159.924,224.5 159.446,224.977 158.895,225.368 158.286,225.66 157.636,225.846 156.965,225.919 156.291,225.879 155.633,225.725 155.311,225.659 154.982,225.664 154.662,225.741 154.366,225.886 154.11,226.092 135.653,244.548 135.199,244.921 134.68,245.198 134.117,245.369 133.532,245.426 132.947,245.369 132.384,245.198 131.865,244.921 131.411,244.548 130.056,243.251 128.808,242.178 127.801,241.42 126.934,240.867 126.189,240.486 125.55,240.248 125.001,240.129 124.528,240.108 124.139,240.166 123.818,240.278 123.553,240.429 123.412,240.536 123.279,240.659 122.745,241.107 122.141,241.455 121.486,241.694 120.799,241.815 120.102,241.815 119.415,241.694 118.76,241.455 118.156,241.107 117.622,240.659 117.144,240.239 116.661,239.93 116.221,239.747 115.822,239.661 115.419,239.647 115.014,239.708 114.605,239.842 114.193,240.049 113.778,240.33 113.484,240.571 113.188,240.85 112.738,241.22 112.225,241.496 111.668,241.668 111.088,241.728 110.508,241.676 109.949,241.512 109.432,241.244 108.976,240.88 108.6,240.435 108.316,239.926 107.054,236.893 105.892,233.82 104.832,230.71 103.875,227.567 103.021,224.394 102.272,221.195 101.628,217.973 101.091,214.732 100.661,211.475 100.337,208.205 100.121,204.927 100.013,201.643 100.013,198.357 ; 191.5,117.5 191.5,124.5 191.538,124.834 191.649,125.151 191.827,125.435 192.065,125.673 192.349,125.851 192.666,125.962 193,126 207,126 207.334,125.962 207.651,125.851 207.935,125.673 208.173,125.435 208.351,125.151 208.462,124.834 208.5,124.5 208.5,117.5 208.462,117.166 208.351,116.849 208.173,116.565 207.935,116.327 207.651,116.149 207.334,116.038 207,116 193,116 192.666,116.038 192.349,116.149 192.065,116.327 191.827,116.565 191.649,116.849 191.538,117.166 191.5,117.5

## Silkscreen, mask and mechanical layers (free items; w line width, h text height)
Bottom Overlay:
  drawing of 36 lines, arcs and shapes, not listed